# Allegro board ultrasound_tnr_1000a_01_20171121.brd (continued)
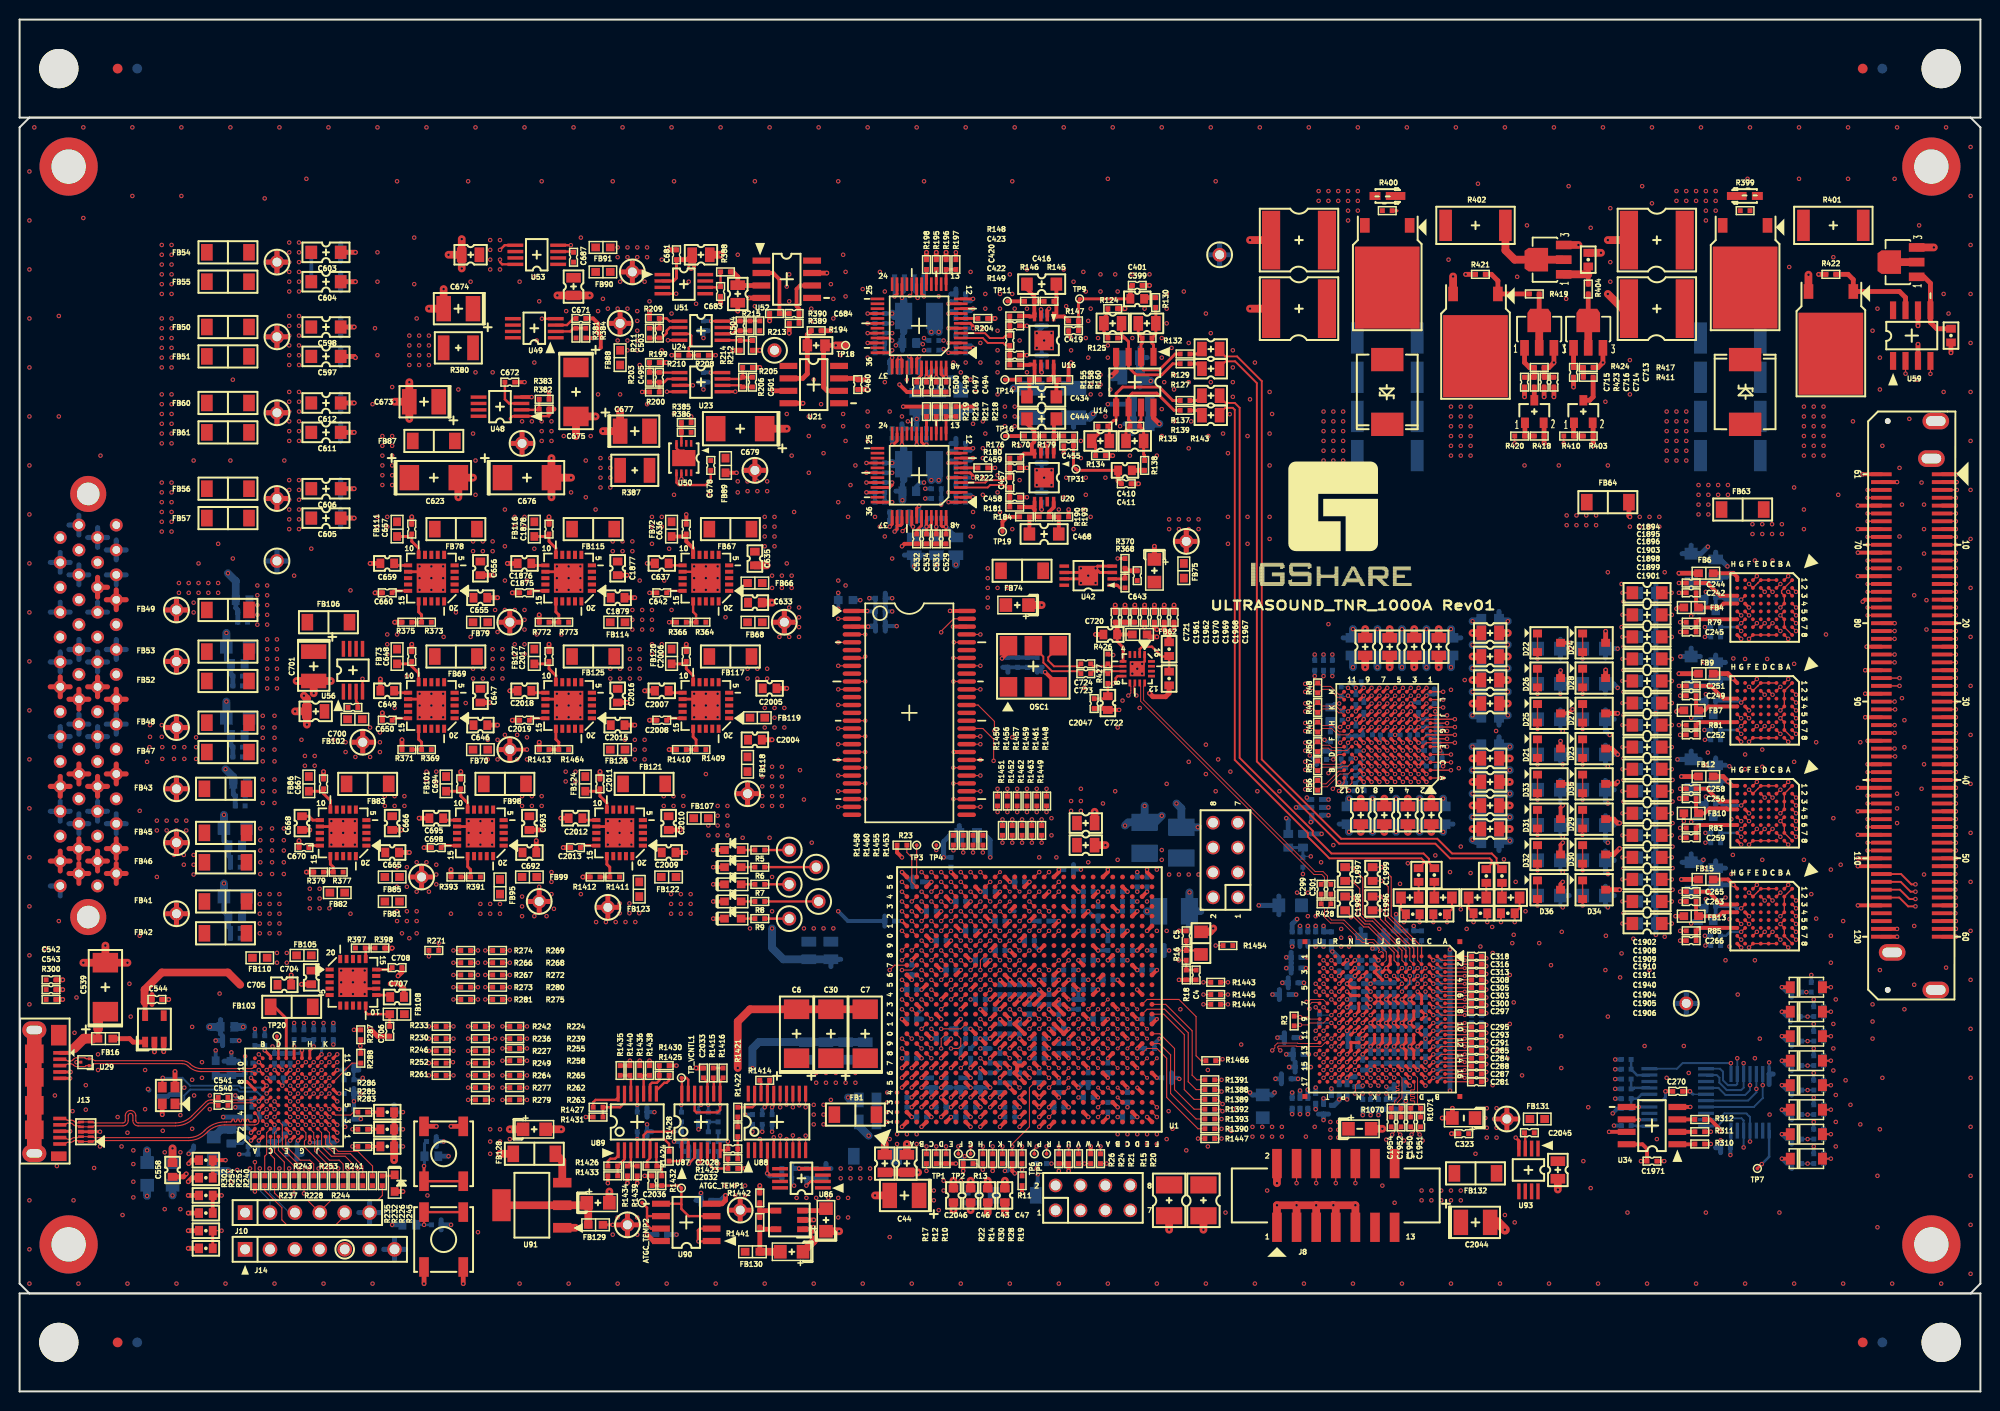
[diagram p0: board, top side]
## Copper pours and planes (outline as drawn; the poured copper is in the pictures) (continued)
D3V3P_FPGA on TOP: 69.75,59.75 69.75,56.75 70,56.5 72.25,56.5 72.5,56.75 72.5,59.75 72.25,60 70,60
D3V3P_FPGA on TOP: 105.75,60.25 105.75,55.25 106.25,54.75 108.25,54.75 108.5,55 108.5,60.25 108.25,60.5 106,60.5
D3V3P_FPGA on BOTTOM: 79,46.75 79,45.5 79.5,45 83.5,45 84,45.5 84,47.25 83.5,47.75 80,47.75
D3V3P_FPGA on VCC1: 71,19.5 102.75,19.5 104,20.75 109.75,20.75 110.25,21.25 110.25,29.75 106.75,33.25 99.25,33.25 98.75,33.75 98.75,39.75 99.5,40.5 103.75,40.5 104,40.75 104,44 101.75,46.25 101.75,47.75 99,50.5 99,53.5 99.5,54 108.5,54 109.25,54.75 109.25,60.25 108.75,60.75 68,60.75 67.5,60.25 67.5,55 70.25,52.25 70.25,20.25
D3V3P_IN on TOP: 2.75,57 2.75,51.5 3.5,50.75 9.5,50.75 15.5,44.75 19.75,44.75 20.75,45.75 20.75,51.25 20.25,51.75 16.75,51.75 10.75,57.75 3.5,57.75
D3V3P_IN on SIG1: 2.75,57 2.75,51.5 3.75,50.5 8.75,50.5 9.75,49.5 9.75,47.5 10.5,46.75 17.5,46.75 18,47.25 18,51.25 17.5,51.75 16.75,51.75 10.75,57.75 3.5,57.75
D3V3P_SDRAM on BOTTOM: 84.5,81.5 84.5,77.5 84.88,77.12 87.62,77.12 87.75,77.25 87.75,82 87.5,82.25 85.25,82.25
D3V3P_USB on TOP: 28.25,45.5 25,45.5 24.75,45.25 24.75,43.25 25,43 28.25,43 28.5,43.25 28.5,45.25
D3V3P_USB on BOTTOM: 10.4,21.4 10.4,19 10.8,18.6 13.4,18.6 13.8,19 13.8,21.6 13.6,21.8 10.8,21.8
D3V3P_USB on VCC1: 11.75,15.5 14.5,12.75 44.5,12.75 46.25,14.5 46.25,26 45.25,27 40,27 36.5,30.5 36.5,37.5 25.75,48.25 13,48.25 11.75,47
GND on BOTTOM: 0.5,11.21 0.5,128.79 1.21,129.5 198.79,129.5 199.5,128.79 199.5,11.21 198.79,10.5 1.21,10.5 ; 3 cut-outs
GND on GND1, GND2, GND3, GND4, GND5, GND6: 0.5,11.21 0.5,128.79 1.21,129.5 198.79,129.5 199.5,128.79 199.5,11.21 198.79,10.5 1.21,10.5 ; 1 cut-out
AD_3V3P on TOP: 64.25,112.75 64.25,117 63.75,117.5 60,117.5 59.75,117.25 59.75,112.75 60,112.5 64,112.5
AD_3V3P on SIG2: 58.75,117.25 58.75,113.25 60.25,111.75 80.75,111.75 85,107.5 85,88.5 86.75,86.75 96,86.75 98.75,89.5 98.75,114.25 95,118 59.5,118
AVTT on TOP: 87,26 87,23.75 87.5,23.25 91.25,23.25 91.75,23.75 91.75,26.25 91.5,26.5 87.5,26.5
AVTT on BOTTOM: 88,23 88.5,22.5 90.75,22.5 92,23.75 92,26.25 91.75,26.5 88.25,26.5 88,26.25
AVTT on VCC2: 87.5,26.25 87.5,24.5 88.25,23.75 102.25,23.75 102.75,24.25 102.75,29.5 102.5,29.75 91,29.75 90.5,29.25 90.5,27 90.25,26.75 88,26.75
CAP_MGTAVCC on TOP: 85.75,30.5 85.75,27.25 86,27 89.25,27 89.75,27.5 89.75,30.5 89.5,30.75 86,30.75
CAP_MGTAVCC on BOTTOM: 86.75,30.5 86.75,26.75 87,26.5 88.5,26.5 89.25,27.25 89.75,27.25 90,27.5 90,30.25 89.5,30.75 87,30.75
CAP_MGTAVCC on VCC2: 87,27.75 87.5,27.25 89.75,27.25 90,27.5 90,29.75 90.5,30.25 101.5,30.25 102,30.75 102,32.75 101.5,33.25 88.75,33.25 87,31.5
CVDDQ on BOTTOM: 11.2,25.6 11.2,23 11.6,22.6 13.6,22.6 14,23 14,26 13.6,26.4 12,26.4
CVDDQ on SIG4: 11.4,26.8 11.4,23.8 11.8,23.4 13.8,23.4 14.4,24 14.4,25.6 14.8,26 16.8,26 18,24.8 22.6,24.8 24.4,26.6 24.4,28.4 24.6,28.6 25,28.6 25.2,28.8 25.2,30.4 24.8,30.8 23.2,30.8 22.6,30.2 22.6,29 21,27.4 19.2,27.4 18.6,28 12.6,28
FHVN on TOP: 162.75,91.5 162.75,88.25 163.75,87.25 166.5,87.25 168,88.75 168,91 167,92 163.25,92
FHVN on SIG3: 164.2,84.6 164.2,47.3 167,44.5 171.75,44.5 172.75,45.5 172.75,85.5 168,90.25 167.95,90.25 167.4,90.8 163.35,90.8 162.75,90.2 162.75,86.05
HV_AHVN1 on TOP: 157,91.6 157,88.6 157.6,88 160.8,88 161.4,88.6 161.4,91.8 161,92.2 157.6,92.2
HV_AHVN1 on TOP: 22,117.5 22,112.5 22.5,112 30.75,112 31.25,112.5 31.25,117.25 30.75,117.75 22.25,117.75
HV_AHVN1 on BOTTOM: 23,117.5 23,112.25 23.75,111.5 30.5,111.5 31.25,112.25 31.25,117.25 30.5,118 23.5,118
HV_AHVN1 on VCC2: 24.75,119.25 24.75,112.25 25.5,111.5 29.25,111.5 30,112.25 30,117.2 31.8,119 126.3,119 138.5,106.8 138.5,88.2 147,79.7 147,73.75 146.25,73 138.75,73 138.25,72.5 138.25,69.2 138.4,69.2 138.6,69 141.4,69 141.6,68.8 141.6,68.4 141.8,68.2 142.2,68.2 142.4,68.4 142.4,69.2 143,69.8 146.4,69.8 147.6,68.6 149.9,68.6 150.5,69.2 150.5,83 152.25,84.75 159.5,84.75 162,87.25 162,90.5 161,91.5 144.45,91.5 143.2,92.75 143.2,109.55 129.75,123 28.5,123
HV_AHVN1_IN on TOP: 20.25,111.25 21,112 21,117.25 20.5,117.75 12.75,117.75 12,117 12,112 12.75,111.25
HV_AHVN1_IN on SIG3, VCC2: 1.5,95 1.5,84.5 2.5,83.5 6.75,83.5 7,83.75 7,87.75 4.5,90.25 4.5,93.75 9.25,98.5 9.25,108.5 12,111.25 16.75,111.25 17.25,111.75 17.25,117.75 16,119 9.75,119 5.25,114.5 5.25,98.75
HV_AHVN2 on TOP: 131,122.5 131,107 131.5,106.5 134.5,106.5 135,107 135,117.5 135.5,118 138.5,118 139.5,119 139.5,122.5 139,123 131.5,123
HV_AHVN2 on TOP: 21.75,102 21.75,97 22.25,96.5 30.5,96.5 31,97 31,101.75 30.5,102.25 22,102.25
HV_AHVN2 on BOTTOM: 22.75,102 22.75,96.75 23.5,96 30.25,96 31,96.75 31,101.75 30.25,102.5 23.25,102.5
HV_AHVN2 on SIG4: 24,102 24,97.25 25.25,96 30.5,96 33,98.5 33,118.25 34.5,119.75 125.25,119.75 126.25,118.75 136.7,118.75 137.7,119.75 137.7,122.8 137.25,123.25 33.75,123.25 29.5,119 29.5,103.75 28.25,102.5 24.5,102.5
HV_AHVN2_IN on TOP: 21,97 21,102.25 20.5,102.75 13,102.75 12.25,102 12.25,96.5 12.75,96 20,96
HV_AHVN2_IN on BOTTOM, SIG4: 7.5,88.75 7.5,88 6.75,87.25 6.75,85.5 8.25,84 12.25,84 13,84.75 13,93.5 14.5,95 16.5,95 16.5,102.5 16,103 13.75,103 9.75,99 9.75,91
HV_AHVP1 on TOP: 21.75,109.75 21.75,104.75 22.25,104.25 30.5,104.25 31,104.75 31,109.5 30.5,110 22,110
HV_AHVP1 on BOTTOM: 22.75,109.75 22.75,104.5 23.5,103.75 30.25,103.75 31,104.5 31,109.5 30.25,110.25 23.25,110.25
HV_AHVP1 on VCC1: 29.5,104 30,104.5 30,109.75 29,110.75 25,110.75 23.25,112.5 23.25,121.5 26.5,124.75 136.75,124.75 139,122.5 139,89.25 147.38,80.88 151.12,80.88 152.75,79.25 152.75,68.5 150.85,66.6 148.1,66.6 145,63.5 142.25,63.5 142.12,63.62 142.12,65.5 142,65.62 141.62,65.62 141.5,65.5 141.5,65.25 141.12,64.88 138.38,64.88 138.25,64.75 138.25,56.38 139.12,55.5 147.7,55.5 147.72,55.52 153.47,55.52 156.2,58.25 156.2,81.75 152.75,85.2 149,85.2 149,85.25 144,90.25 144,126 142.25,127.75 23.5,127.75 18.75,123 18.75,110 24.75,104
HV_AHVP1_IN on TOP: 20.25,103.75 21,104.5 21,109.75 20.5,110.25 13,110.25 12.25,109.5 12.25,104.5 13,103.75
HV_AHVP1_IN on VCC1: 1.5,78.75 2.5,77.75 6.75,77.75 7.75,78.75 7.75,82.25 5.75,84.25 4.75,84.25 3,86 3,99.75 6.75,103.5 16.25,103.5 17,104.25 17,109.75 16.25,110.5 6.25,110.5 1.5,105.75
HV_AHVP1_IN on SIG2: 1.5,78.75 2.5,77.75 6.75,77.75 7.75,78.75 7.75,82.25 5.75,84.25 4.75,84.25 3,86 3,99.75 6.75,103.5 16.25,103.5 17,104.25 17,109.75 16.25,110.5 6.25,110.5 1.5,105.75
HV_AHVP2 on TOP: 167.5,122.5 167.5,107 168,106.5 171,106.5 171.5,107 171.5,117.5 172,118 175,118 176,119 176,122.5 175.5,123 168,123
HV_AHVP2 on TOP: 22,93 22,88 23,87 30,87 31,88 31,93 30,94 23,94
HV_AHVP2 on BOTTOM: 22.75,93.5 22.75,88.25 23.5,87.5 30.25,87.5 31,88.25 31,93.25 30.25,94 23.25,94
HV_AHVP2 on SIG1: 29.5,87 25,87 24.5,87.5 24.5,93.5 25.25,94.25 28.25,94.25 29.25,95.25 29.25,122.25 34.75,127.75 172.2,127.75 174.3,125.65 174.3,119.7 173.4,118.8 169.4,118.8 168.7,119.5 168.7,123.5 168.2,124 37.25,124 33.25,120 33.25,90.75
HV_AHVP2_IN on TOP: 7,84 7,79.25 7.5,78.75 10.75,78.75 16,84 19,84 21,86 21,93 20,94 15,94 13.88,92.88 13.88,87.5 11,84.62 7.62,84.62
HV_AHVP2_IN on SIG1: 7,84 7,79.5 7.5,79 11,79 16,84 19,84 21,86 21,93 20,94 15,94 13.88,92.88 13.88,87.62 11,84.75 7.75,84.75
HV_Q133 on TOP: 172.5,116.5 172.5,103 173,102.5 179,102.5 179.5,103 179.5,116 179,116.5
HV_Q134 on TOP: 136,116.5 136,103 136.5,102.5 142.5,102.5 143,103 143,116 142.5,116.5
HVN_CW on TOP: 132,94 141.5,94 142.5,95 142.5,100.5 142,101 132.5,101 131.5,100 131.5,94.5
HVN_CW on BOTTOM: 130.5,93.5 137.5,93.5 139,95 139,111 138,112 131,112 130,111 130,94
HVN_CW on SIG1: 130.75,100 130.75,91 135,86.75 135,74 135.5,73.5 136.75,73.5 137.5,72.75 137.5,68.5 137.75,68.25 141.25,68.25 147,74 147,86 138.75,94.25 138.75,99.75 137.75,100.75 131.5,100.75
HVP_CW on TOP: 167,94 178,94 178.5,94.5 178.5,100.5 178,101 167.5,101 166.5,100 166.5,94.5
HVP_CW on BOTTOM: 167,93.5 172.5,93.5 174,95 174,109.5 173,110.5 167.5,110.5 166.5,109.5 166.5,94
HVP_CW on VCC2: 163.4,86.6 160.4,83.6 154,83.6 152.75,82.35 152.75,67.5 150.75,65.5 136.75,65.5 135.25,64 135.25,60.25 135.75,59.75 151.25,59.75 157.5,66 157.5,77.25 160.5,80.25 166.25,80.25 167,81 167,86 169.25,88.25 169.25,92.25 169.4,92.4 169.45,92.4 171.25,94.2 171.25,100.1 170.6,100.75 164.75,100.75 163.4,99.4
MGTVCCAUX on BOTTOM: 97.25,20.75 97.25,19 97.5,18.75 100.25,18.75 100.5,19 100.5,20.75 100.25,21 97.5,21
PPMIX_10VP on TOP: 47,95.5 47,91.5 47.5,91 51.25,91 51.75,91.5 51.75,95 52.75,96 54.5,96 54.75,96.25 54.75,100.25 54.5,100.5 53.75,100.5 53.75,99.75 53.5,99.5 50,99.5 49.5,99 49.5,98
PPMIX_10VP on SIG2: 47.25,107 47.25,96.5 49.5,94.25 56,94.25 62.25,100.5 72,100.5 72.75,101.25 72.75,109.5 71.75,110.5 50.75,110.5
REF_2V5P on SIG1: 67.75,109.25 67.75,101.75 69,100.5 77.75,100.5 79.25,102 79.25,109.25 78.25,110.25 68.75,110.25
U3RX_VDDQ on BOTTOM: 18.2,27.2 18.2,25.6 18.6,25.2 20.4,25.2 20.6,25.4 20.6,26 21,26.4 23,26.4 23.2,26.2 24,26.2 24.2,26.4 24.2,27 23.8,27.4 18.4,27.4
U3TX_VDDQ on BOTTOM: 14.6,25.4 14.6,23 14.8,22.8 16.4,22.8 16.8,23.2 16.8,25.4 16.4,25.8 15,25.8
U3TX_VDDQ on SIG2: 14.4,25.8 14.4,23.4 15,22.8 16.2,22.8 16.6,23.2 16.6,24.4 17,24.8 25,24.8 25.8,25.6 25.8,29.8 25.6,30 23.4,30 23,29.6 23,29 21.4,27.4 16,27.4
USB_5VBUS on TOP: 9.2,36.8 9.2,35.2 9.8,34.6 12.8,34.6 13,34.8 13,36.8 12.8,37 9.4,37
USB_BUS on TOP: 26.5,42.25 22.8,42.25 21.65,43.4 13.6,43.4 11.8,41.6 11.8,38.2 12.2,37.8 13.6,37.8 13.8,38 13.8,40.8 14,41 15.6,41 15.8,40.8 15.8,40 17.8,38 27.5,38 27.75,38.25 27.75,39.5 26.75,40.5 26.75,42
N07037 on TOP: 176.5,122.5 176.5,119 177.5,118 180,118 181,117 183.5,117 184,117.5 184,122 183,123 177,123
N07073 on TOP: 188,101 188,106 187.5,106.5 181.5,106.5 181,106 181,95.5 182,94.5 185.5,94.5 186.5,95.5 186.5,99.5
N07073 on BOTTOM: 184.5,94 184.5,109 183.5,110 176.5,110 175.5,109 175.5,94 176.5,93 183.5,93
N07349 on TOP: 140,122.5 140,119 141,118 143.5,118 144.5,117 147,117 147.5,117.5 147.5,122 146.5,123 140.5,123
N07605 on TOP: 186.5,121.5 186.5,116 187.5,115 189,115 189.5,114.5 191.5,114.5 191.5,119.5 189,122 187,122
N127245 on TOP: 68.25,98.12 68.25,97.5 67.88,97.12 67.88,96.5 68,96.38 69.25,96.38 69.62,96 69.62,95 69.88,94.75 73,94.75 73.25,95 73.25,99.88 72.88,100.25 70,100.25 69.38,99.62 69.38,98.5 69.12,98.25 68.38,98.25
N127281 on TOP: 63,99.75 63,92.5 63.5,92 65.75,92 66.25,92.5 66.25,94 66.75,94.5 67.75,94.5 67.88,94.38 67.88,93.38 68,93.25 68.75,93.25 68.88,93.38 68.88,94.62 68.75,94.62 68.75,96 67.38,96 67.12,96.25 67.12,97.12 67,97.25 66.38,97.25 66,97.62 66,99.75 65.75,100 63.25,100
N127351 on TOP: 45.25,105 45.5,104.75 51.5,104.75 52.25,105.5 52.25,112 51.75,112.5 45.5,112.5 45.25,112.25
N127413 on TOP: 53.25,103.5 54,102.75 62,102.75 62.5,103.25 62.5,105 62.25,105.25 60.25,105.25 59.75,105.75 59.75,106.75 59.5,107 57.25,107 57,107.25 57,107.75 53.5,107.75 53.25,107.5
N128389 on TOP: 41.75,102.75 41.5,102.5 41.5,99.5 42,99 42.5,99 42.5,96.25 43.25,95.5 46.25,95.5 48.5,97.75 48.5,102.25 48,102.75
N129465 on TOP: 53.75,115.5 53.75,113.5 54.25,113 59,113 59.25,113.25 59.25,115.75 59,116 57.25,116 57,115.75 54,115.75
N269503 on TOP: 107,81 107.5,81.5 107.5,82.5 106,82.5 105.5,83 105.5,83.75 105.75,84 107,84 107,85 106.75,85.25 102.75,85.25 102.5,85 102.5,82 102.75,81.75 103.5,81.75 104.25,81
N269757 on TOP: 119.5,81 119.75,81.25 119.75,83.25 119.5,83.5 115,83.5 114.5,83 113.5,83 113.25,82.75 113.25,82.5 111,82.5 110.75,82.25 110.75,81.25 111,81
N272947 on BOTTOM: 104.5,22.25 104.25,22.5 104.25,23.5 104,23.75 103,23.75 102.75,23.5 102.75,18.75 103,18.5 104.25,18.5 104.5,18.75
N277301 on TOP: 41.75,68 41.75,64.75 42.25,64.25 46.5,64.25 46.75,64.5 46.75,66.5 47,66.75 47,68.75 46.75,69 45.5,69 45.25,68.75 44,68.75 44,68.25 43.75,68
N279560 on TOP: 41,76.5 41,74 41.75,73.25 41.75,72 43.75,72 44,71.75 44,71.25 45.25,71.25 45.5,71.5 45.5,72.75 44.25,74 44.25,76.5 44,76.75 41.25,76.75
N292688 on TOP: 69.75,81 69.75,77.75 70.25,77.25 74.5,77.25 74.75,77.5 74.75,83.25 74.5,83.5 73.5,83.5 73.25,83.25 73.25,82 73,81.75 72,81.75 72,81.25 71.75,81
N292988 on TOP: 69,89.5 69,87 69.75,86.25 69.75,85 71.75,85 72,84.75 72,84.25 73.25,84.25 73.5,84.5 73.5,85.75 72.25,87 72.25,89.5 72,89.75 69.25,89.75
N296288 on TOP: 41.75,81 41.75,77.75 42.25,77.25 46.25,77.25 46.75,77.75 46.75,79.75 47,80 47,81.75 46.75,82 45.5,82 45.25,81.75 44,81.75 44,81.25 43.75,81
N296576 on TOP: 41,89.5 41,87 41.75,86.25 41.75,85 43.75,85 44,84.75 44,84.25 45.25,84.25 45.5,84.5 45.5,85.75 44.25,87 44.25,89.5 44,89.75 41.25,89.75
N298322 on TOP: 32,63.25 32,60.75 32.75,60 32.75,58.75 34.75,58.75 35,58.5 35,58 36.25,58 36.5,58.25 36.5,59.5 35.25,60.75 35.25,63.25 35,63.5 32.25,63.5
N298342 on TOP: 37.75,55.75 37.5,56 35,56 35,55.5 34.5,55 32.75,55 32.75,49.5 33,49.25 37.5,49.25 37.75,49.5
N307737 on TOP: 30.5,70.5 30.5,67.75 30.75,67.5 33.75,67.5 34,67.75 34,72.25 32.5,72.25 32.25,72 32.25,71 32,70.75 30.75,70.75
N307869 on TOP: 32.25,80 32.25,74.25 32.5,74 35.5,74 36,74.5 36,79.75 35.5,80.25 32.5,80.25
N309216 on TOP: 46,63.5 46,61 46.75,60.25 46.75,59 48.75,59 49,58.75 49,58.25 50.25,58.25 50.5,58.5 50.5,59.75 49.25,61 49.25,63.5 49,63.75 46.25,63.75
N309236 on TOP: 46.75,55 46.75,51.75 47,51.5 51.75,51.5 52,51.75 52,55.75 51.75,56 50.5,56 50.25,55.75 49,55.75 49,55.25 48.75,55
N313467 on TOP: 34.25,39.75 32.25,39.75 32,40 32,40.5 28.5,40.5 28.25,40.25 28.25,38.5 28.75,38 34,38 34.25,38.25
N313479 on TOP: 34.25,43.75 34.25,45.75 34,46 29.25,46 29,45.75 29,43 29.25,42.75 30.5,42.75 30.75,43 32,43 32,43.5 32.25,43.75
N322654 on TOP: 47.75,21.5 47.75,17 48.75,16 52.75,16 53.5,16.75 53.5,17.75 53.75,18 57,18 57.5,17.5 57.5,16.5 57.75,16.25 58.5,16.25 58.75,16.5 58.75,20.25 58.5,20.5 57.5,20.5 56.75,19.75 53.75,19.75 53.5,20 53.5,21.75 53.25,22 48.25,22
N322784 on TOP: 53.25,25.25 53.25,23 54.25,22 54.25,20.75 54.5,20.5 56.5,20.5 57,21 57,25.25 56.75,25.5 53.5,25.5
N323196 on TOP: 75,16.75 75,13.75 75.5,13.25 78,13.25 78.5,13.75 78.5,17 78.25,17.25 76.5,17.25 76.25,17 75.25,17
N330594 on TOP: 154.1,25.7 154.1,23.3 154.4,23 157.8,23 157.9,23.1 157.9,27.7 157.2,28.4 155.1,28.4 155,28.3 155,27.2 154.7,26.9 154.4,26.9 154.3,26.8 154.3,25.9
N330656 on TOP: 152.25,18.6 154.8,18.6 155.4,19.2 155.4,21.9 155.2,22.1 152.75,22.1 152.75,23.45 152.3,23.9 149.25,23.9 149,23.65 149,20.5 149.25,20.25 150.6,20.25
N331948 on TOP: 55,89.5 55,87 55.75,86.25 55.75,85 57.75,85 58,84.75 58,84.25 59.25,84.25 59.5,84.5 59.5,85.75 58.25,87 58.25,89.5 58,89.75 55.25,89.75
N331976 on TOP: 55.75,81 55.75,77.75 56.25,77.25 60.5,77.25 60.75,77.5 60.75,79.5 61,79.75 61,81.75 60.75,82 59.5,82 59.25,81.75 58,81.75 58,81.25 57.75,81
N340697 on TOP: 69,76.5 69,74 69.75,73.25 69.75,72 71.75,72 72,71.75 72,71.25 73.25,71.25 73.5,71.5 73.5,72.75 72.25,74 72.25,76.5 72,76.75 69.25,76.75
N340713 on TOP: 69.75,68 69.75,64.75 70.25,64.25 74.5,64.25 75,64.75 75,69.25 74.75,69.5 73.5,69.5 73.25,69.25 73.25,69 73,68.75 72,68.75 72,68.25 71.75,68
N342056 on TOP: 60.2,63.5 60.2,61 60.95,60.25 60.95,59 62.95,59 63.2,58.75 63.2,58.25 64.45,58.25 64.7,58.5 64.7,59.75 63.45,61 63.45,63.5 63.2,63.75 60.45,63.75
N342072 on TOP: 60.95,55.25 60.95,52 61.45,51.5 65.7,51.5 66.2,52 66.2,56 65.95,56.25 64.7,56.25 64.45,56 63.2,56 63.2,55.5 62.95,55.25
N344902 on TOP: 55.75,68 55.75,64.75 56.25,64.25 60.25,64.25 60.75,64.75 60.75,66.75 61,67 61,68.75 60.75,69 59.5,69 59.25,68.75 58,68.75 58,68.25 57.75,68
N345144 on TOP: 55,76.5 55,74 55.75,73.25 55.75,72 57.75,72 58,71.75 58,71.25 59.25,71.25 59.5,71.5 59.5,72.75 58.25,74 58.25,76.5 58,76.75 55.25,76.75
N16749198 on TOP: 6.2,39.8 6.2,35.6 6.8,35 8.2,35 8.8,35.6 8.8,36.8 9.4,37.4 10.2,37.4 10.6,37.8 10.6,40.2 10.2,40.6 7,40.6
N16749224 on TOP: 1.5,42.5 1.5,39.1 0.6,38.2 0.6,36.8 1,36.4 2,36.4 2.6,37 2.6,38.4 3,38.8 3,42.4 2.8,42.6 1.6,42.6
N16775966 on TOP: 152,101 152,106 151.5,106.5 145.5,106.5 145,106 145,95.5 146,94.5 149.5,94.5 150.5,95.5 150.5,99.5
N16775966 on BOTTOM: 141,93 148,93 149.5,94.5 149.5,110.5 148.5,111.5 141.5,111.5 140.5,110.5 140.5,93.5

## Text on the board
NCLEGEND-1-14: FIGURE | SIZE | 0.20 | 0.25 | 0.79 | 0.91 | 0.99 | 1.00 | 2.31 | 3.50 | 0.61 | 4.00 | 1.60x0.85 | 2.01x0.99 | DRILL CHART: TOP to BOTTOM | ALL UNITS ARE IN MILLIMETERS | PLATED | NON-PLATED | QTY | 100 | 3752 | 60 | 35 | 16 | 13 | 2 | 4
